# Altium PCB Archimajor.PcbDoc (part 6 of 13) (continued)
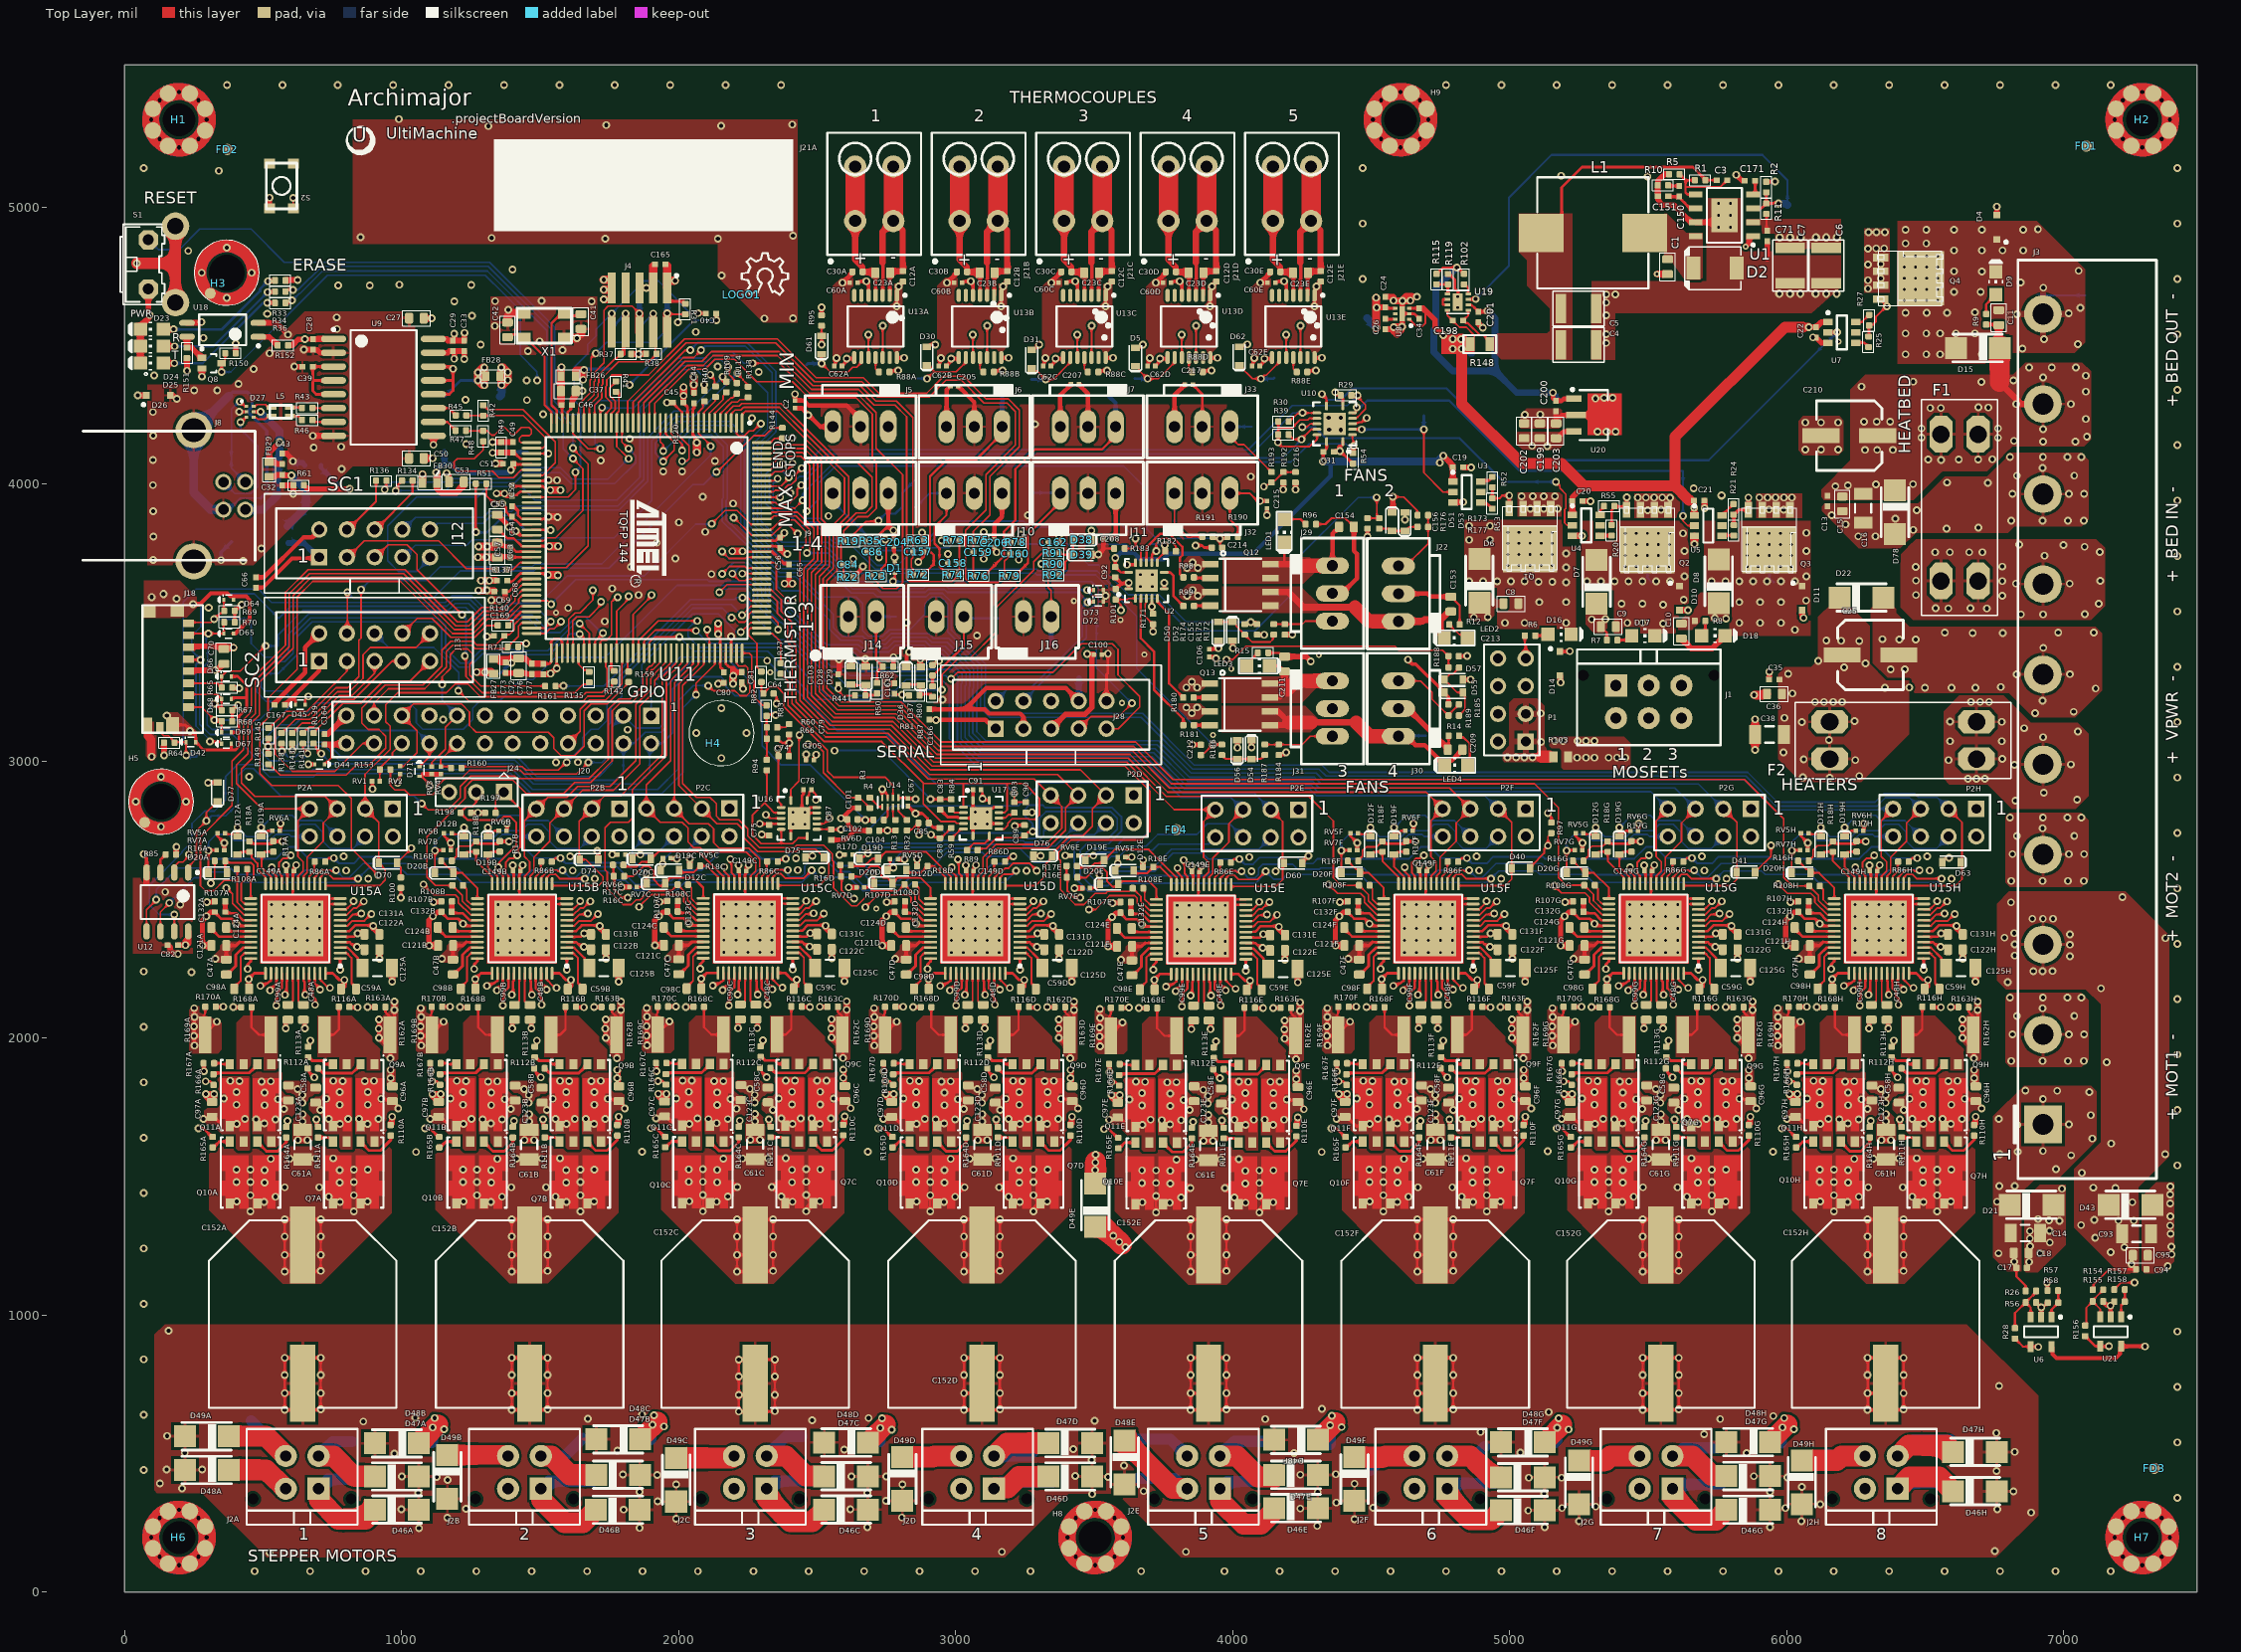
[diagram p0: Top Layer view]
## Nets (pads, with @x,y where several pads share a name; then routed paths per layer and width w, separated by ;. In a path a pad name is that pad's centre, name@x,y a point inside that pad or via, vN(x,y) a via of type N, cw(c..) or ccw(c..) an arc to the next point about the centre after c; other vN are vias at no path point) (continued)
HB1C: R110C.1 U15C.1 | length 750.1
  Top Layer w9: 2412.02,2275.49 U15C.1@2412.02,2287.79
  Top Layer w10: v1(2412.02,2247.04) 2412.02,2275.49
  Top Layer w20: R110C.1@2594.18,1686.38 2599.77,1691.97 v1(2599.77,1716.97)
  Mid1 w10: v1(2412.02,2247.04) 2412.02,2232.09 2401.18,2221.26 2401.18,2199.72 2410.18,2190.72 2410.18,2076.72 2533.34,1953.56 2551.18,1953.56 2605.19,1953.56 2622.09,1936.66 2622.09,1788.84 2595.14,1761.89 2595.14,1737.23 2598.5,1733.87 v1@2598.5,1725.76 ; v1@2595.19,1716.97 v1(2599.77,1716.97)
HB1D: R110D.1 U15D.1 | length 750.1
  Top Layer w9: 3232.57,2274.53 U15D.1@3232.57,2286.83
  Top Layer w10: v1(3232.57,2246.08) 3232.57,2274.53
  Top Layer w20: R110D.1@3414.74,1685.43 3420.32,1691.01 v1(3420.32,1716.01)
  Mid1 w10: v1(3232.57,2246.08) 3232.57,2231.13 3221.74,2220.3 3221.74,2198.76 3230.74,2189.76 3230.74,2075.76 3353.9,1952.6 3371.74,1952.6 3425.75,1952.6 3442.65,1935.7 3442.65,1787.88 3415.69,1760.93 3415.69,1736.28 3419.05,1732.91 v1@3419.05,1724.8 ; v1@3415.75,1716.01 v1(3420.32,1716.01)
HB1E: R110E.1 U15E.1 | length 750.1
  Top Layer w9: 4047.85,2271.55 U15E.1@4047.85,2283.85
  Top Layer w10: v1(4047.85,2243.1) 4047.85,2271.55
  Top Layer w20: R110E.1@4230.01,1682.45 4235.59,1688.03 v1(4235.59,1713.03)
  Mid1 w10: v1(4047.85,2243.1) 4047.85,2228.15 4037.01,2217.32 4037.01,2195.78 4046.01,2186.78 4046.01,2072.78 4169.17,1949.62 4187.01,1949.62 4241.02,1949.62 4257.92,1932.72 4257.92,1784.9 4230.96,1757.95 4230.96,1733.3 4234.33,1729.94 v1@4234.33,1721.83 ; v1@4231.02,1713.03 v1(4235.59,1713.03)
HB1F: R110F.1 U15F.1 | length 750.1
  Top Layer w9: 4868.4,2274.53 U15F.1@4868.4,2286.83
  Top Layer w10: v1(4868.4,2246.08) 4868.4,2274.53
  Top Layer w20: R110F.1@5050.57,1685.43 5056.15,1691.01 v1(5056.15,1716.01)
  Mid1 w10: v1(4868.4,2246.08) 4868.4,2231.13 4857.57,2220.3 4857.57,2198.76 4866.57,2189.76 4866.57,2075.76 4989.73,1952.6 5007.57,1952.6 5061.58,1952.6 5078.47,1935.7 5078.47,1787.88 5051.52,1760.93 5051.52,1736.28 5054.88,1732.91 v1@5054.88,1724.8 ; v1@5051.57,1716.01 v1(5056.15,1716.01)
HB1G: R110G.1 U15G.1 | length 750.1
  Top Layer w9: 5681.4,2274.53 U15G.1@5681.4,2286.83
  Top Layer w10: v1(5681.4,2246.08) 5681.4,2274.53
  Top Layer w20: R110G.1@5863.57,1685.43 5869.15,1691.01 v1(5869.15,1716.01)
  Mid1 w10: v1(5681.4,2246.08) 5681.4,2231.13 5670.57,2220.3 5670.57,2198.76 5679.57,2189.76 5679.57,2075.76 5802.73,1952.6 5820.57,1952.6 5874.58,1952.6 5891.47,1935.7 5891.47,1787.88 5864.52,1760.93 5864.52,1736.28 5867.88,1732.91 v1@5867.88,1724.8 ; v1@5864.57,1716.01 v1(5869.15,1716.01)
HB1H: R110H.1 U15H.1 | length 750.1
  Top Layer w9: 6494.4,2274.53 U15H.1@6494.4,2286.83
  Top Layer w10: v1(6494.4,2246.08) 6494.4,2274.53
  Top Layer w20: R110H.1@6676.57,1685.43 6682.15,1691.01 v1(6682.15,1716.01)
  Mid1 w10: v1(6494.4,2246.08) 6494.4,2231.13 6483.57,2220.3 6483.57,2198.76 6492.57,2189.76 6492.57,2075.76 6615.73,1952.6 6633.57,1952.6 6687.58,1952.6 6704.47,1935.7 6704.47,1787.88 6677.52,1760.93 6677.52,1736.28 6680.88,1732.91 v1@6680.88,1724.8 ; v1@6677.57,1716.01 v1(6682.15,1716.01)
HB2A: R111A.2 U15A.44 | length 599.7
  Top Layer w9: U15A.44@646.94,2233.68 646.94,2205.58 649.63,2202.9 649.63,2156.24 650,2155.87 v1(652.76,2155.87)
  Top Layer w10: v1(693,1705.53) 693,1680.53 R111A.2@695,1678.53
  Mid1 w10: v1(652.76,2155.87) 652.76,2073.29 625,2045.53 625,1973.53 642,1956.53 642,1836.53 679,1799.53 679,1719.53 v1(693,1705.53)
HB2B: R111B.2 U15B.44 | length 599.7
  Top Layer w9: U15B.44@1464.86,2233.68 1464.86,2205.58 1467.54,2202.9 1467.54,2156.24 1467.91,2155.87 v1(1470.67,2155.87)
  Top Layer w10: v1(1510.91,1705.53) 1510.91,1680.53 R111B.2@1512.91,1678.53
  Mid1 w10: v1(1470.67,2155.87) 1470.67,2073.29 1442.91,2045.53 1442.91,1973.53 1459.91,1956.53 1459.91,1836.53 1496.91,1799.53 1496.91,1719.53 v1(1510.91,1705.53)
HB2C: R111C.2 U15C.44 | length 599.7
  Top Layer w9: U15C.44@2280.13,2234.64 2280.13,2206.54 2282.81,2203.86 2282.81,2157.2 2283.18,2156.83 v1(2285.94,2156.83)
  Top Layer w10: v1(2326.18,1706.49) 2326.18,1681.49 R111C.2@2328.18,1679.49
  Mid1 w10: v1(2285.94,2156.83) 2285.94,2074.25 2258.18,2046.49 2258.18,1974.49 2275.18,1957.49 2275.18,1837.49 2312.18,1800.49 2312.18,1720.49 v1(2326.18,1706.49)
HB2D: R111D.2 U15D.44 | length 599.7
  Top Layer w9: U15D.44@3100.68,2233.68 3100.68,2205.58 3103.37,2202.9 3103.37,2156.24 3103.74,2155.87 v1(3106.5,2155.87)
  Top Layer w10: v1(3146.74,1705.53) 3146.74,1680.53 R111D.2@3148.74,1678.53
  Mid1 w10: v1(3106.5,2155.87) 3106.5,2073.29 3078.74,2045.53 3078.74,1973.53 3095.74,1956.53 3095.74,1836.53 3132.74,1799.53 3132.74,1719.53 v1(3146.74,1705.53)
HB2E: R111E.2 U15E.44 | length 599.7
  Top Layer w9: U15E.44@3915.96,2230.7 3915.96,2202.61 3918.64,2199.92 3918.64,2153.27 3919.01,2152.9 v1(3921.77,2152.9)
  Top Layer w10: v1(3962.01,1702.55) 3962.01,1677.55 R111E.2@3964.01,1675.55
  Mid1 w10: v1(3921.77,2152.9) 3921.77,2070.31 3894.01,2042.55 3894.01,1970.55 3911.01,1953.55 3911.01,1833.55 3948.01,1796.55 3948.01,1716.55 v1(3962.01,1702.55)
HB2F: R111F.2 U15F.44 | length 599.7
  Top Layer w9: U15F.44@4736.51,2233.68 4736.51,2205.58 4739.2,2202.9 4739.2,2156.24 4739.57,2155.87 v1(4742.33,2155.87)
  Top Layer w10: v1(4782.57,1705.53) 4782.57,1680.53 R111F.2@4784.57,1678.53
  Mid1 w10: v1(4742.33,2155.87) 4742.33,2073.29 4714.57,2045.53 4714.57,1973.53 4731.57,1956.53 4731.57,1836.53 4768.57,1799.53 4768.57,1719.53 v1(4782.57,1705.53)
HB2G: R111G.2 U15G.44 | length 599.7
  Top Layer w9: U15G.44@5549.51,2233.68 5549.51,2205.58 5552.2,2202.9 5552.2,2156.24 5552.57,2155.87 v1(5555.33,2155.87)
  Top Layer w10: v1(5595.57,1705.53) 5595.57,1680.53 R111G.2@5597.57,1678.53
  Mid1 w10: v1(5555.33,2155.87) 5555.33,2073.29 5527.57,2045.53 5527.57,1973.53 5544.57,1956.53 5544.57,1836.53 5581.57,1799.53 5581.57,1719.53 v1(5595.57,1705.53)
HB2H: R111H.2 U15H.44 | length 599.7
  Top Layer w9: U15H.44@6362.51,2233.68 6362.51,2205.58 6365.2,2202.9 6365.2,2156.24 6365.57,2155.87 v1(6368.33,2155.87)
  Top Layer w10: v1(6408.57,1705.53) 6408.57,1680.53 R111H.2@6410.57,1678.53
  Mid1 w10: v1(6368.33,2155.87) 6368.33,2073.29 6340.57,2045.53 6340.57,1973.53 6357.57,1956.53 6357.57,1836.53 6394.57,1799.53 6394.57,1719.53 v1(6408.57,1705.53)
HEAT1: R54.2 U10.2 U11.132 | length 2319.6
  Top Layer w6: U11.132@2300.35,3912.9 2335.1,3912.9 2335.46,3912.54 2419.64,3912.54 v1(2448.47,3941.37) ; U10.2@4432.51,4177.51 4432.51,4160.1 4435.94,4156.67 4435.94,4137.96 v1(4436.73,4137.18)
  Top Layer w10: R54.2@4434.76,4110.9 4435.74,4111.89 4435.74,4136.2 v1(4436.73,4137.18)
  Bottom Layer w6: v1(2448.47,3941.37) 2448.47,3965.78 2561.82,4079.13 4210.37,4079.13 4276.29,4145.05 4408.18,4145.05 4416.06,4137.18 v1(4436.73,4137.18)
HEAT2: R39.2 U10.12 U11.133 | length 2188
  Top Layer w6: U11.133@2300.35,3932.58 2350.45,3932.58 2356.49,3926.54 2397.27,3926.54 2428.26,3957.53 2428.26,3981.08 v1(2442.63,3995.45) ; R39.2@4202.49,4177.98 4219.67,4160.8 v1(4248.74,4160.8) 4248.74,4162.4 4283.53,4197.2 U10.12@4304.56,4197.2
  Bottom Layer w6: v1(2442.63,3995.45) 2473.14,4025.96 2473.14,4027.81 2538.98,4093.65 4181.59,4093.65 v1(4248.74,4160.8)
HEAT3: R29.2 U10.5 U11.135 | length 2454.4
  Top Layer w6: U11.135@2300.35,3971.95 2343.42,3971.95 2348.63,3977.16 2377.18,3977.16 2395.53,3995.52 2405.09,3995.52 2423.44,4013.87 2423.44,4035.31 v1(2444.6,4056.47) ; U10.5@4432.51,4236.57 4446.41,4236.57 4480.05,4270.2 4480.05,4285.88 4446.4,4319.53 v1@4446.13,4319.79
  Top Layer w20: R29.2@4428.05,4319.79 4428.31,4319.53 4446.4,4319.53 4450.24,4319.53 v1(4450.51,4319.27)
  Bottom Layer w6: v1(2444.6,4056.47) 2511.53,4123.4 4055.82,4123.4 4215.27,4282.85 4414.09,4282.85 v1(4450.51,4319.27)
HEATBED: R30.2 U10.9 U11.134 | length 2189.4
  Top Layer w6: U11.134@2300.35,3952.27 2301.08,3951.54 v1(2366.85,3951.54) ; R30.2@4208.4,4228.69 4219.4,4239.69 4219.73,4239.69 4234.5,4254.47 4234.56,4254.52 v1@4257.65,4254.52 ; v1@4262.23,4256.25 U10.9@4304.56,4256.25
  Bottom Layer w6: v1(2366.85,3951.54) 2366.85,3957.49 2378.26,3968.91 2378.26,3978.24 2399.07,3999.05 2408.62,3999.05 2436.52,4026.94 2452.48,4026.94 2533.18,4107.65 4068.62,4107.65 4217.34,4256.38 v1(4251.97,4256.38)
HOLD#: TP78.1 U11.103 U12.7 | length 2994.6
  Top Layer w6: v1@178.84,2443.26 v1@180.02,2442.08 ; U12.7@180.02,2384.68 v1@180.02,2442.08 ; v1@180.81,2441.52 180.57,2441.52 v1@180.02,2442.08 ; v1(2062.99,3239.57) 2062.99,3280.45 2131.06,3348.52 U11.103@2131.06,3389.28
  Bottom Layer w6: v1(179.83,2445.46) 125.5,2445.46 89.88,2481.08 89.88,2551.16 207.99,2669.27 207.99,2673.13 243.81,2708.95 243.81,2773.99 288.98,2819.16 324.42,2819.16 365.13,2859.87 TP78.1@365.13,2909.77 365.13,2943.47 408.35,2986.69 479.14,2986.69 524.01,2941.82 682.05,2941.82 694.98,2954.75 1394.48,2954.75 1466.58,2882.65 1940.44,2882.65 2015.47,2957.68 2015.47,3192.04 v1(2062.99,3239.57)
HTBD-OUT: C11.2 D4.C D9.C D15.A J3.10 Q4.TAB TP37.1 | length 152.7
  Bottom Layer w8: 6925,4682.76 6926.79,4680.97 TP37.1@7076.94,4680.97
  other v1: 6429.12,4467.94 6504.12,4467.94 6554.12,4467.94 6704.12,4467.94 6850.74,4488.65 7051.2,4505.03 6929.52,4522.97 6429.12,4542.94 6504.12,4542.94 6554.12,4542.94 6610.68,4542.94 6679.12,4542.94 6831.24,4612.67 7017.66,4615.79 6429.12,4617.94 6505.01,4617.94 6579.12,4617.94 6679.12,4619.91 7059.78,4635.29 6604.12,4692.94 6699.95,4692.94 6926.4,4708.61 6844.5,4727.33 6704.12,4766.34 6604.12,4767.94 7053.54,4769.47 6604.12,4842.94 6704.12,4842.94 6779.12,4842.94 6854.12,4842.94 6429.12,4867.94 6504.12,4867.94 6429.12,4917.94 6504.12,4917.94 6604.12,4917.94 6704.12,4917.94 6854.12,4917.94 6906.9,4919.21
  other v2: 6425.01,4662.47 6465.01,4662.47 6505.01,4662.47 6545.01,4662.47 6425.01,4702.47 6465.01,4702.47 6505.01,4702.47 6545.01,4702.47 6425.01,4742.47 6465.01,4742.47 6505.01,4742.47 6545.01,4742.47 6425.01,4782.47 6465.01,4782.47 6505.01,4782.47 6545.01,4782.47 6425.01,4822.47 6465.01,4822.47 6505.01,4822.47 6545.01,4822.47
HTR1: C8.2 D6.A D14.C D16.C J1.1 Q1.TAB TP40.1 | length 99.1
  Top Layer w10: D14.C@5180.84,3395.05 5216.25,3395.05 v1(5217.24,3396.04)
  Bottom Layer w10: v2(5073.62,3705.49) 5073.62,3666.51 TP40.1@5090.12,3650.01
  other v1: 4983.42,3498.5 5054.12,3498.5 5204.12,3498.5 5106.5,3573.5 5204.12,3573.5 5204.12,3644.5 5104.12,3646.5 5154.12,3646.5 4854.12,3648.5 4904.12,3648.5 4954.93,3648.5 5004.12,3648.5 5054.12,3648.5 5204.12,3698.5 5204.12,3748.5 4854.12,3798.5 4929.12,3798.5 4854.12,3848.5 4929.12,3848.5
  other v2: 4993.62,3705.49 5033.62,3705.49 5113.62,3705.49 5153.62,3705.49 4993.62,3745.49 5033.62,3745.49 5073.62,3745.49 5113.62,3745.49 5153.62,3745.49 4993.62,3785.49 5033.62,3785.49 5073.62,3785.49 5113.62,3785.49 5153.62,3785.49 4993.62,3825.49 5033.62,3825.49 5073.62,3825.49 5113.62,3825.49 5153.62,3825.49
HTR2: C9.2 D7.A D10.C D17.C J1.3 Q2.TAB TP39.1 | length 61.7
  Bottom Layer w8: v2(5497.12,3701.49) 5497.12,3661.01 TP39.1@5512.12,3646.01
  other v1: 5554.12,3495.64 5425.17,3498.5 5479.12,3498.5 5554.12,3564.5 5404.12,3567.76 5479.12,3567.76 5628.12,3581.5 5279.12,3648.5 5329.12,3648.5 5379.12,3648.5 5429.12,3648.5 5479.12,3648.5 5529.12,3648.5 5579.12,3648.5 5631.12,3666.5 5631.12,3757.5 5625.7,3821.49
  other v2: 5417.12,3701.49 5457.12,3701.49 5537.12,3701.49 5577.12,3701.49 5417.12,3741.49 5457.12,3741.49 5497.12,3741.49 5537.12,3741.49 5577.12,3741.49 5417.12,3781.49 5457.12,3781.49 5497.12,3781.49 5537.12,3781.49 5577.12,3781.49 5417.12,3821.49 5457.12,3821.49 5497.12,3821.49 5537.12,3821.49 5577.12,3821.49
HTR3: C10.2 D8.A D11.C D18.C J1.5 Q3.TAB TP38.1 | length 256.4
  Top Layer w20: C10.2@5619.8,3442.1 5624.92,3442.1 5629.48,3437.53 5629.48,3432.42 5656.02,3405.88 5730.67,3405.88 D18.C@5776.96,3452.17
  Bottom Layer w8: v2(5937.11,3701.5) 5937.11,3662.02 TP38.1@5953.11,3646.02
  other v1: 6029.12,3473.5 5829.12,3498.5 5904.12,3498.5 5979.12,3498.5 5829.12,3573.5 5904.12,3573.5 5979.12,3573.5 6070.11,3579.5 5729.12,3648.5 5779.12,3648.5 5829.12,3648.5 5879.12,3648.5 5929.12,3648.5 5979.12,3648.5 6029.12,3648.5 6071.11,3666.5 6071.11,3757.5 6071.11,3823.5
  other v2: 5857.11,3701.5 5897.11,3701.5 5977.11,3701.5 6017.11,3701.5 5857.11,3741.5 5897.11,3741.5 5937.11,3741.5 5977.11,3741.5 6017.11,3741.5 5857.11,3781.5 5897.11,3781.5 5937.11,3781.5 5977.11,3781.5 6017.11,3781.5 5857.11,3821.5 5897.11,3821.5 5937.11,3821.5 5977.11,3821.5 6017.11,3821.5
LA1A: R166A.1 U15A.39 | length 540.9
  Top Layer w9: v1@521.16,2170.29 521.3,2170.43 v1@521.3,2168.71 ; v1@521.3,2166.67 v1@521.3,2168.71 ; U15A.39@548.52,2233.68 548.52,2195.93 526,2173.41 v1(526,2171.53) 524.12,2171.53 v1@521.3,2168.71
  Top Layer w10: v1(292.81,1843.52) 308.36,1843.52 R166A.1@321.35,1830.53
  Mid1 w10: v1(292.81,1843.52) 513,2063.71 513,2160.41 524.12,2171.53 v1(526,2171.53)
LA1B: R166B.1 U15B.39 | length 540.9
  Top Layer w9: v1@1339.07,2170.29 1339.21,2170.43 v1@1339.21,2168.71 ; v1@1339.21,2166.67 v1@1339.21,2168.71 ; U15B.39@1366.43,2233.68 1366.43,2195.93 1343.91,2173.41 v1(1343.91,2171.53) 1342.03,2171.53 v1@1339.21,2168.71
  Top Layer w10: v1(1110.72,1843.52) 1126.27,1843.52 R166B.1@1139.27,1830.53
  Mid1 w10: v1(1110.72,1843.52) 1330.91,2063.71 1330.91,2160.41 1342.03,2171.53 v1(1343.91,2171.53)
LA1C: R166C.1 U15C.39 | length 540.9
  Top Layer w9: v1@2154.34,2171.25 2154.48,2171.39 v1@2154.48,2169.67 ; v1@2154.48,2167.63 v1@2154.48,2169.67 ; U15C.39@2181.7,2234.64 2181.7,2196.89 2159.18,2174.37 v1(2159.18,2172.49) 2157.3,2172.49 v1@2154.48,2169.67
  Top Layer w10: v1(1926,1844.48) 1941.55,1844.48 R166C.1@1954.54,1831.49
  Mid1 w10: v1(1926,1844.48) 2146.18,2064.67 2146.18,2161.37 2157.3,2172.49 v1(2159.18,2172.49)
LA1D: R166D.1 U15D.39 | length 540.9
  Top Layer w9: v1@2974.9,2170.29 2975.04,2170.43 v1@2975.04,2168.71 ; v1@2975.04,2166.67 v1@2975.04,2168.71 ; U15D.39@3002.26,2233.68 3002.26,2195.93 2979.74,2173.41 v1(2979.74,2171.53) 2977.86,2171.53 v1@2975.04,2168.71
  Top Layer w10: v1(2746.55,1843.52) 2762.1,1843.52 R166D.1@2775.09,1830.53
  Mid1 w10: v1(2746.55,1843.52) 2966.74,2063.71 2966.74,2160.41 2977.86,2171.53 v1(2979.74,2171.53)
LA1E: R166E.1 U15E.39 | length 540.9
  Top Layer w9: v1@3790.17,2167.31 3790.31,2167.45 v1@3790.31,2165.73 ; v1@3790.31,2163.69 v1@3790.31,2165.73 ; U15E.39@3817.53,2230.7 3817.53,2192.95 3795.01,2170.43 v1(3795.01,2168.55) 3793.13,2168.55 v1@3790.31,2165.73
  Top Layer w10: v1(3561.82,1840.54) 3577.37,1840.54 R166E.1@3590.37,1827.55
  Mid1 w10: v1(3561.82,1840.54) 3782.01,2060.73 3782.01,2157.43 3793.13,2168.55 v1(3795.01,2168.55)
LA1F: R166F.1 U15F.39 | length 540.9
  Top Layer w9: v1@4610.72,2170.29 4610.86,2170.43 v1@4610.86,2168.71 ; v1@4610.86,2166.67 v1@4610.86,2168.71 ; U15F.39@4638.09,2233.68 4638.09,2195.93 4615.57,2173.41 v1(4615.57,2171.53) 4613.68,2171.53 v1@4610.86,2168.71
  Top Layer w10: v1(4382.38,1843.52) 4397.93,1843.52 R166F.1@4410.92,1830.53
  Mid1 w10: v1(4382.38,1843.52) 4602.57,2063.71 4602.57,2160.41 4613.68,2171.53 v1(4615.57,2171.53)
LA1G: R166G.1 U15G.39 | length 540.9
  Top Layer w9: v1@5423.72,2170.29 5423.86,2170.43 v1@5423.86,2168.71 ; v1@5423.86,2166.67 v1@5423.86,2168.71 ; U15G.39@5451.09,2233.68 5451.09,2195.93 5428.57,2173.41 v1(5428.57,2171.53) 5426.68,2171.53 v1@5423.86,2168.71
  Top Layer w10: v1(5195.38,1843.52) 5210.93,1843.52 R166G.1@5223.92,1830.53
  Mid1 w10: v1(5195.38,1843.52) 5415.57,2063.71 5415.57,2160.41 5426.68,2171.53 v1(5428.57,2171.53)
LA1H: R166H.1 U15H.39 | length 540.9
  Top Layer w9: v1@6236.72,2170.29 6236.86,2170.43 v1@6236.86,2168.71 ; v1@6236.86,2166.67 v1@6236.86,2168.71 ; U15H.39@6264.09,2233.68 6264.09,2195.93 6241.57,2173.41 v1(6241.57,2171.53) 6239.68,2171.53 v1@6236.86,2168.71
  Top Layer w10: v1(6008.38,1843.52) 6023.93,1843.52 R166H.1@6036.92,1830.53
  Mid1 w10: v1(6008.38,1843.52) 6228.57,2063.71 6228.57,2160.41 6239.68,2171.53 v1(6241.57,2171.53)
LA2A: R167A.2 U15A.38 | length 495.6
  Top Layer w9: 516.84,2198.03 519.37,2200.56 528.83,2206.51 U15A.38@528.83,2233.68
  Top Layer w10: R167A.2@285.62,1908.48 283.95,1906.81 287,1903.76 v1(287,1879.53) ; v1(490.65,2188.01) 513.34,2197.06
  Mid1 w10: v1(287,1879.53) 284.93,1879.53 284.24,1880.22 287.69,1880.22 490.65,2083.17 v1(490.65,2188.01)
LA2B: R167B.2 U15B.38 | length 495.6
  Top Layer w9: 1334.75,2198.03 1337.28,2200.56 1346.75,2206.51 U15B.38@1346.75,2233.68
  Top Layer w10: R167B.2@1103.54,1908.48 1101.87,1906.81 1104.91,1903.76 v1(1104.91,1879.53) ; v1(1308.56,2188.01) 1331.26,2197.06
  Mid1 w10: v1(1104.91,1879.53) 1102.84,1879.53 1102.15,1880.22 1105.61,1880.22 1308.56,2083.17 v1(1308.56,2188.01)
LA2C: R167C.2 U15C.38 | length 495.6
  Top Layer w9: 2150.02,2198.99 2152.55,2201.51 2162.02,2207.47 U15C.38@2162.02,2234.64
  Top Layer w10: R167C.2@1918.81,1909.44 1917.14,1907.77 1920.18,1904.72 v1(1920.18,1880.49) ; v1(2123.83,2188.97) 2146.53,2198.01
  Mid1 w10: v1(1920.18,1880.49) 1918.11,1880.49 1917.42,1881.18 1920.88,1881.18 2123.83,2084.13 v1(2123.83,2188.97)
LA2D: R167D.2 U15D.38 | length 495.6
  Top Layer w9: 2970.58,2198.03 2973.11,2200.56 2982.57,2206.51 U15D.38@2982.57,2233.68
  Top Layer w10: R167D.2@2739.36,1908.48 2737.69,1906.81 2740.74,1903.76 v1(2740.74,1879.53) ; v1(2944.39,2188.01) 2967.08,2197.06
  Mid1 w10: v1(2740.74,1879.53) 2738.67,1879.53 2737.98,1880.22 2741.43,1880.22 2944.39,2083.17 v1(2944.39,2188.01)
LA2E: R167E.2 U15E.38 | length 495.6
  Top Layer w9: 3785.85,2195.05 3788.38,2197.58 3797.85,2203.54 U15E.38@3797.85,2230.7
  Top Layer w10: R167E.2@3554.63,1905.5 3552.96,1903.83 3556.01,1900.79 v1(3556.01,1876.55) ; v1(3759.66,2185.03) 3782.35,2194.08
  Mid1 w10: v1(3556.01,1876.55) 3553.94,1876.55 3553.25,1877.24 3556.7,1877.24 3759.66,2080.2 v1(3759.66,2185.03)
LA2F: R167F.2 U15F.38 | length 495.6
  Top Layer w9: 4606.4,2198.03 4608.93,2200.56 4618.4,2206.51 U15F.38@4618.4,2233.68
  Top Layer w10: R167F.2@4375.19,1908.48 4373.52,1906.81 4376.57,1903.76 v1(4376.57,1879.53) ; v1(4580.21,2188.01) 4602.91,2197.06
  Mid1 w10: v1(4376.57,1879.53) 4374.5,1879.53 4373.8,1880.22 4377.26,1880.22 4580.21,2083.17 v1(4580.21,2188.01)
LA2G: R167G.2 U15G.38 | length 495.6
  Top Layer w9: 5419.4,2198.03 5421.93,2200.56 5431.4,2206.51 U15G.38@5431.4,2233.68
  Top Layer w10: R167G.2@5188.19,1908.48 5186.52,1906.81 5189.57,1903.76 v1(5189.57,1879.53) ; v1(5393.21,2188.01) 5415.91,2197.06
  Mid1 w10: v1(5189.57,1879.53) 5187.5,1879.53 5186.8,1880.22 5190.26,1880.22 5393.21,2083.17 v1(5393.21,2188.01)
LA2H: R167H.2 U15H.38 | length 495.6
  Top Layer w9: 6232.4,2198.03 6234.93,2200.56 6244.4,2206.51 U15H.38@6244.4,2233.68
  Top Layer w10: R167H.2@6001.19,1908.48 5999.52,1906.81 6002.57,1903.76 v1(6002.57,1879.53) ; v1(6206.21,2188.01) 6228.91,2197.06
  Mid1 w10: v1(6002.57,1879.53) 6000.5,1879.53 5999.8,1880.22 6003.26,1880.22 6206.21,2083.17 v1(6206.21,2188.01)
LB1A: R112A.1 U15A.47 | length 463.4
  Top Layer w7: U15A.47@706,2233.68 706,2210.59 729.06,2187.53 739,2187.53 739,2183.53 v1(742,2180.53)
  Top Layer w10: R112A.1@661.1,1890.53 667.1,1884.53 667.1,1875.43 v1(685,1857.53)
  Mid1 w7: v1@742,2177.53 v1(742,2180.53)
  Mid1 w10: v1(685,1857.53) 742,1914.53 v1@742,2177.53
LB1B: R112B.1 U15B.47 | length 463.4
  Top Layer w7: U15B.47@1523.91,2233.68 1523.91,2210.59 1546.98,2187.53 1556.91,2187.53 1556.91,2183.53 v1(1559.91,2180.53)
  Top Layer w10: R112B.1@1479.02,1890.53 1485.02,1884.53 1485.02,1875.43 v1(1502.91,1857.53)
  Mid1 w7: v1@1559.91,2177.53 v1(1559.91,2180.53)
  Mid1 w10: v1(1502.91,1857.53) 1559.91,1914.53 v1@1559.91,2177.53
LB1C: R112C.1 U15C.47 | length 463.4
  Top Layer w7: U15C.47@2339.18,2234.64 2339.18,2211.55 2362.25,2188.49 2372.18,2188.49 2372.18,2184.49 v1(2375.18,2181.49)
  Top Layer w10: R112C.1@2294.29,1891.49 2300.29,1885.49 2300.29,1876.38 v1(2318.18,1858.49)
  Mid1 w7: v1@2375.18,2178.49 v1(2375.18,2181.49)
  Mid1 w10: v1(2318.18,1858.49) 2375.18,1915.49 v1@2375.18,2178.49
LB1D: R112D.1 U15D.47 | length 463.4
  Top Layer w7: U15D.47@3159.74,2233.68 3159.74,2210.59 3182.8,2187.53 3192.74,2187.53 3192.74,2183.53 v1(3195.74,2180.53)
  Top Layer w10: R112D.1@3114.84,1890.53 3120.84,1884.53 3120.84,1875.43 v1(3138.74,1857.53)
  Mid1 w7: v1@3195.74,2177.53 v1(3195.74,2180.53)
  Mid1 w10: v1(3138.74,1857.53) 3195.74,1914.53 v1@3195.74,2177.53
LB1E: R112E.1 U15E.47 | length 463.4
  Top Layer w7: U15E.47@3975.01,2230.7 3975.01,2207.61 3998.07,2184.55 4008.01,2184.55 4008.01,2180.55 v1(4011.01,2177.55)
  Top Layer w10: R112E.1@3930.11,1887.55 3936.11,1881.55 3936.11,1872.45 v1(3954.01,1854.55)
  Mid1 w7: v1@4011.01,2174.55 v1(4011.01,2177.55)
  Mid1 w10: v1(3954.01,1854.55) 4011.01,1911.55 v1@4011.01,2174.55
LB1F: R112F.1 U15F.47 | length 463.4
  Top Layer w7: U15F.47@4795.57,2233.68 4795.57,2210.59 4818.63,2187.53 4828.57,2187.53 4828.57,2183.53 v1(4831.57,2180.53)
  Top Layer w10: R112F.1@4750.67,1890.53 4756.67,1884.53 4756.67,1875.43 v1(4774.57,1857.53)
  Mid1 w7: v1@4831.57,2177.53 v1(4831.57,2180.53)
  Mid1 w10: v1(4774.57,1857.53) 4831.57,1914.53 v1@4831.57,2177.53
LB1G: R112G.1 U15G.47 | length 463.4
  Top Layer w7: U15G.47@5608.57,2233.68 5608.57,2210.59 5631.63,2187.53 5641.57,2187.53 5641.57,2183.53 v1(5644.57,2180.53)
  Top Layer w10: R112G.1@5563.67,1890.53 5569.67,1884.53 5569.67,1875.43 v1(5587.57,1857.53)
  Mid1 w7: v1@5644.57,2177.53 v1(5644.57,2180.53)
  Mid1 w10: v1(5587.57,1857.53) 5644.57,1914.53 v1@5644.57,2177.53
LB1H: R112H.1 U15H.47 | length 463.4
  Top Layer w7: U15H.47@6421.57,2233.68 6421.57,2210.59 6444.63,2187.53 6454.57,2187.53 6454.57,2183.53 v1(6457.57,2180.53)
  Top Layer w10: R112H.1@6376.67,1890.53 6382.67,1884.53 6382.67,1875.43 v1(6400.57,1857.53)
  Mid1 w7: v1@6457.57,2177.53 v1(6457.57,2180.53)
  Mid1 w10: v1(6400.57,1857.53) 6457.57,1914.53 v1@6457.57,2177.53
LB2A: R113A.2 U15A.46 | length 308.3
  Top Layer w9: U15A.46@686.31,2233.68 686.31,2198.21 v1@704,2180.53
  Top Layer w10: R113A.2@659,1963.53 671,1975.53 v1(671,1990.53) ; v1@704,2180.53 706,2178.53 v1(706,2174.53)
  Mid1 w10: v1(671,1990.53) 717,2036.53 717,2144.53 706,2155.53 v1(706,2174.53) v1@705,2175.53
LB2B: R113B.2 U15B.46 | length 308.3
  Top Layer w9: U15B.46@1504.23,2233.68 1504.23,2198.21 v1@1521.91,2180.53
  Top Layer w10: R113B.2@1476.91,1963.53 1488.91,1975.53 v1(1488.91,1990.53) ; v1@1521.91,2180.53 1523.91,2178.53 v1(1523.91,2174.53)
  Mid1 w10: v1(1488.91,1990.53) 1534.91,2036.53 1534.91,2144.53 1523.91,2155.53 v1(1523.91,2174.53) v1@1522.91,2175.53
LB2C: R113C.2 U15C.46 | length 308.3
  Top Layer w9: U15C.46@2319.5,2234.64 2319.5,2199.17 v1@2337.18,2181.49
  Top Layer w10: R113C.2@2292.18,1964.49 2304.18,1976.49 v1(2304.18,1991.49) ; v1@2337.18,2181.49 2339.18,2179.49 v1(2339.18,2175.49)
  Mid1 w10: v1(2304.18,1991.49) 2350.18,2037.49 2350.18,2145.49 2339.18,2156.49 v1(2339.18,2175.49) v1@2338.18,2176.49
LB2D: R113D.2 U15D.46 | length 308.3
  Top Layer w9: U15D.46@3140.05,2233.68 3140.05,2198.21 v1@3157.74,2180.53
  Top Layer w10: R113D.2@3112.74,1963.53 3124.74,1975.53 v1(3124.74,1990.53) ; v1@3157.74,2180.53 3159.74,2178.53 v1(3159.74,2174.53)
  Mid1 w10: v1(3124.74,1990.53) 3170.74,2036.53 3170.74,2144.53 3159.74,2155.53 v1(3159.74,2174.53) v1@3158.74,2175.53
LB2E: R113E.2 U15E.46 | length 308.3
  Top Layer w9: U15E.46@3955.33,2230.7 3955.33,2195.24 v1@3973.01,2177.55
  Top Layer w10: R113E.2@3928.01,1960.55 3940.01,1972.55 v1(3940.01,1987.55) ; v1@3973.01,2177.55 3975.01,2175.55 v1(3975.01,2171.55)
  Mid1 w10: v1(3940.01,1987.55) 3986.01,2033.55 3986.01,2141.55 3975.01,2152.55 v1(3975.01,2171.55) v1@3974.01,2172.55
LB2F: R113F.2 U15F.46 | length 308.3
  Top Layer w9: U15F.46@4775.88,2233.68 4775.88,2198.21 v1@4793.57,2180.53
  Top Layer w10: R113F.2@4748.57,1963.53 4760.57,1975.53 v1(4760.57,1990.53) ; v1@4793.57,2180.53 4795.57,2178.53 v1(4795.57,2174.53)
  Mid1 w10: v1(4760.57,1990.53) 4806.57,2036.53 4806.57,2144.53 4795.57,2155.53 v1(4795.57,2174.53) v1@4794.57,2175.53
LB2G: R113G.2 U15G.46 | length 308.3
  Top Layer w9: U15G.46@5588.88,2233.68 5588.88,2198.21 v1@5606.57,2180.53
  Top Layer w10: R113G.2@5561.57,1963.53 5573.57,1975.53 v1(5573.57,1990.53) ; v1@5606.57,2180.53 5608.57,2178.53 v1(5608.57,2174.53)
  Mid1 w10: v1(5573.57,1990.53) 5619.57,2036.53 5619.57,2144.53 5608.57,2155.53 v1(5608.57,2174.53) v1@5607.57,2175.53
LB2H: R113H.2 U15H.46 | length 308.3
  Top Layer w9: U15H.46@6401.88,2233.68 6401.88,2198.21 v1@6419.57,2180.53
  Top Layer w10: R113H.2@6374.57,1963.53 6386.57,1975.53 v1(6386.57,1990.53) ; v1@6419.57,2180.53 6421.57,2178.53 v1(6421.57,2174.53)
  Mid1 w10: v1(6386.57,1990.53) 6432.57,2036.53 6432.57,2144.53 6421.57,2155.53 v1(6421.57,2174.53) v1@6420.57,2175.53
LED_R: R34.1 U11.60 | length 2166.6
  Top Layer w6: R34.1@581.05,4694.53 587.22,4700.7 587.07,4700.85 v1(608.64,4700.85) ; U11.60@1469.65,3696.36 1514.05,3696.36 1515.31,3697.62 1595.09,3697.62 1674,3776.53 1674,4072.23 1619,4127.23 v1(1619,4129.01)
  Bottom Layer w6: v1(608.64,4700.85) 627.46,4700.85 712.63,4786.03 1312.71,4786.03 1538.5,4560.24 1538.5,4289.75 1619,4209.25 v1(1619,4129.01)
LED_Y: R36.1 U11.55 | length 2017.7
  Top Layer w6: R36.1@581.04,4653.47 590.9,4653.47 602.63,4665.19 604.8,4663.02 v1(604.8,4662.45) ; U11.55@1469.65,3794.79 1513,3794.79 1523.74,3805.53 1556,3805.53 1655,3904.53 1655,4055.2 v1(1618.91,4091.29)
  Bottom Layer w6: v1(604.8,4662.45) 606.38,4662.45 629.35,4685.42 629.35,4686.21 630,4686.85 633.26,4686.85 715.05,4768.65 1310.29,4768.65 1524.5,4554.44 1524.5,4282.54 1584,4223.04 1584,4126.2 v1(1618.91,4091.29)
M_nCS1: D70.K P2A.3 U11.83 U15A.13 | length 1927.5
  Top Layer w6: U15A.13@725.68,2556.51 725.68,2549.61 921,2549.61 941.65,2570.25 941.65,2607.99 D70.K@917.31,2632.32 917.32,2778.54 P2A.3@868.7,2827.17 868.7,2951.82 958.74,3041.86 958.74,3125.79 943,3141.53 943,3203.06 986,3246.06 1161.53,3246.06 1194,3278.53 1238.6,3278.53 1285.07,3232.06 1650.79,3232.06 1666.44,3247.71 1724.4,3247.71 1742.05,3265.36 1742.05,3333.85 1737.46,3338.43 ; U11.83@1737.36,3389.28 1737.5,3389.14 1737.5,3338.43
M_nCS2: D74.K P2B.3 U11.96 U15B.13 | length 1249.7
  Top Layer w6: U15B.13@1543.6,2556.51 1543.6,2549.61 1711.61,2549.61 1727.14,2565.13 1727.14,2582.17 1665.43,2643.88 D74.K@1643.54,2643.88 1641.03,2646.38 1641.03,2781.58 P2B.3@1686.61,2827.17 1733.86,2874.41 1792.32,2874.41 1941.53,3023.61 1941.53,3298.75 1942.53,3299.75 1942.53,3304.74 1989.49,3351.7 1989.49,3353.94 1993.27,3357.72 U11.96@1993.27,3389.28
M_nCS3: D75.K P2C.3 U11.100 U15C.13 | length 1443.1
  Top Layer w6: U11.100@2072.01,3389.28 2071.28,3388.55 2071.28,3348.13 2000.92,3277.78 2000.92,2911.17 P2C.3@2083.97,2828.12 2138.5,2773.6 2211.73,2773.6 2235.74,2749.58 2235.74,2722.57 2285.3,2673.01 2423.64,2673.01 2432.49,2681.86 2494.36,2681.86 2512.54,2663.69 2516.47,2663.69 2525.28,2654.87 D75.K@2525.28,2650.94 2541.12,2635.1 2541.12,2634.75 2542.23,2633.64 2542.23,2584.22 2508.58,2550.57 2358.87,2550.57 U15C.13@2358.87,2557.47
M_nCS4: D76.K P2D.3 U11.128 U15D.13 | length 2633.7
  Top Layer w6: U11.128@2300.35,3834.16 2333.69,3834.16 2369.54,3870.01 2418.24,3870.01 2460.23,3828.02 2460.23,3782.77 2437.79,3760.33 2437.79,3218.93 2542.49,3114.23 2762.45,3114.23 2908.88,2967.8 3451.19,2967.8 P2D.3@3543.03,2875.96 3493.81,2826.75 3493.81,2764.15 3460.35,2730.68 3413.46,2730.68 3357.18,2674.4 3357.18,2667.13 3345.89,2655.84 3345.89,2647.97 3325.71,2627.78 3325.71,2585.67 3289.65,2549.61 3179.43,2549.61 U15D.13@3179.43,2556.51
M_nCS5: D60.K P2E.3 U11.120 U15E.13 | length 2970.6
  Top Layer w6: v1(2230.39,3675.92) 2231.14,3676.68 U11.120@2300.35,3676.68 ; U15E.13@3994.7,2553.53 3994.7,2546.63 4155.88,2546.63 4180.5,2571.25 4180.5,2781.4 P2E.3@4137.71,2824.19
  Bottom Layer w6: v1(2230.39,3675.92) 2236.34,3675.92 2249.51,3662.75 2261.13,3662.75 2299.68,3624.2 2299.68,3591.12 2550.25,3340.55 2640.75,3340.55 2657.93,3323.37 2885.9,3323.37 2893.24,3330.71 2985.46,3330.71 3009.4,3306.78 3009.4,3286.05 3006.24,3282.89 3006.24,3073.35 3079.22,3000.37 3702.69,3000.37 3819.81,2883.24 4078.66,2883.24 P2E.3@4137.71,2824.19